# Altium PCB Brake Module R6.PcbDoc (part 1 of 2) (continued)
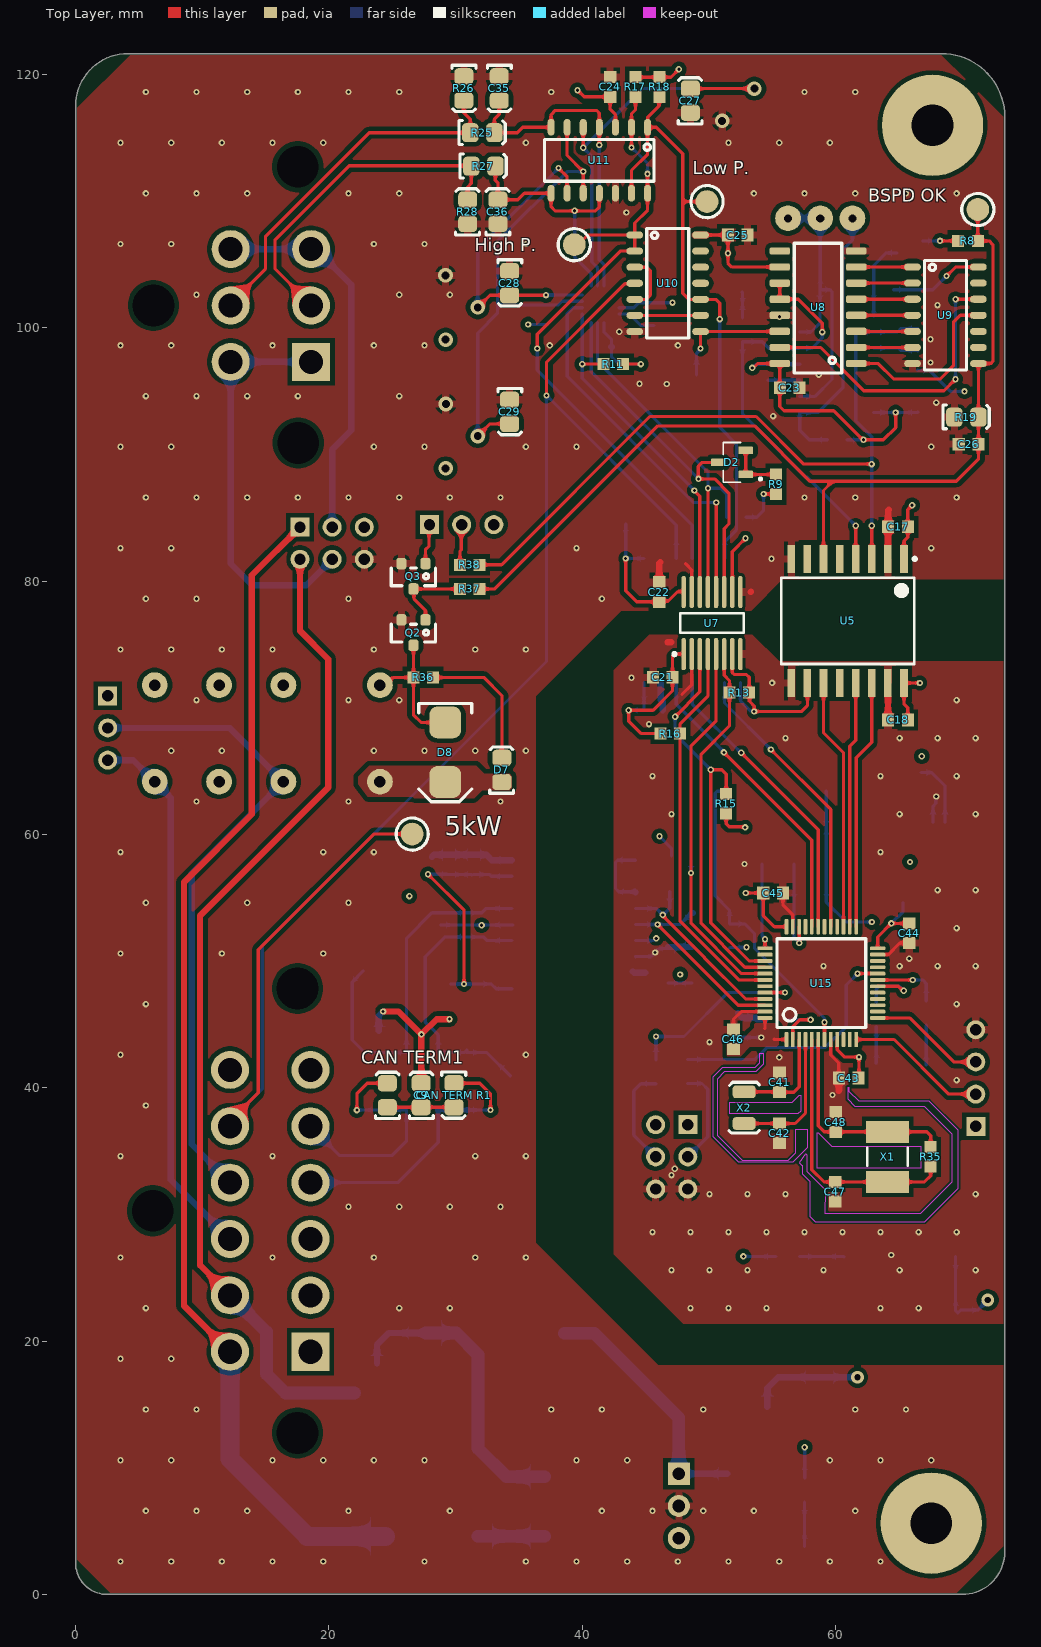
[diagram p0: Top Layer view]
## Footprints (in the part's own frame and the unit in brackets; to place one, negate y for a bottom-side part, rotate by r counter-clockwise, add the part's x,y. Pads: shape width x height; smd on the part's side, far side on the other; paste and mask are expansions set on the pad) (continued)
C0603 [mm] "Chip Capacitor, 2-Leads, Body 1.60x0.81mm, IPC Medium Density"
  rect 0.95x1 smd: 1(-0.775,0) 2(0.775,0)
  body extent -0.86,-0.47 0.86,0.47, height 0.59
DT13-6P [mm]
  round 3 hole 3.3 unplated: 0(-17.805,15.43) 0(-6.95,4) 0(4,15.4)
  rect 3x3 hole 1.9: 1(-11.4,16.45)
  round 3 hole 1.9: 2(-6.95,16.45) 3(-2.5,16.45) 4(-2.5,10.1) 5(-6.95,10.1) 6(-11.4,10.1)
  silkscreen extent -16.9,-0.1 2.7,6.1, body extent -29.9,-19.9 12.9,19.6, height 35.63
DT13-12P [mm]
  round 3 hole 3.3 unplated: 0(-6.405,5.33) 0(11.135,-6.1) 0(28.675,5.33)
  rect 3x3 hole 1.9: 1(0,6.35)
  round 3 hole 1.9: 2(4.45,6.35) 3(8.9,6.35) 4(13.35,6.35) 5(17.8,6.35) 6(22.25,6.35) 7(22.25,0) 8(17.8,0) 9(13.35,0) 10(8.9,0) 11(4.45,0) 12(0,0)
  silkscreen extent -4.45,-12 26.7,-6, body extent -18.6,-34.7 40.6,9.5, height 35.63
ECS-80-18-30-JGN-TR [mm] "Crystal, 8MHz"
  rect 1.75x3.4 smd: 1(-1.975,0) 2(1.975,0)
  silkscreen extent -0.7,-1.6 0.7,1.6, body extent -2.5,-1.7 2.5,1.7, height 1.1
"EPSON 2-SMD" [mm]
  rrect50% 1x1.8 smd: 1(-1.25,0) 2(1.25,0)
  silkscreen extent -2,-1.2 2,1.2, body extent -1.5,-1 1.5,1, height 1
FP-DDC0005A-IPC_B [mm]
  rect 1.554x0.572 smd paste+0 mask+0: 1(-1.1,0.95)
  rrect100% 1.554x0.572 smd paste+0 mask+0: 2(-1.1,0) 3(-1.1,-0.95) 4(1.1,-0.95) 5(1.1,0.95)
  silkscreen extent -2.7,-1.7 1.4,1.7, body extent -1.4,-1.45 1.4,1.45, height 1.1
"IN SOT-23 MOSFET" [mm] "NUP2105L"
  rrect50% 0.8x0.9 smd: D(0,1) G(-0.95,-1) S(0.95,-1)
  silkscreen extent -1.75,-0.65 1.75,0.75, body extent -1.5,-1.28 1.5,1.27, height 1
"ON 16-SOIC" [mm]
  rrect50% 1.6x0.58 smd: 1(-2.89,0) 2(-2.89,-1.27) 3(-2.89,-2.54) 4(-2.89,-3.81) 5(-2.89,-5.08) 6(-2.89,-6.35) 7(-2.89,-7.62) 8(-2.89,-8.89) 9(3.14,-8.89) 10(3.14,-7.62) 11(3.14,-6.35) 12(3.14,-5.08) 13(3.14,-3.81) 14(3.14,-2.54) 15(3.14,-1.27) 16(3.14,0)
  silkscreen extent -1.75,-9.5 2,0.75, body extent -3.09,-9.4 3.14,0.6, height 1.75
"ON SOT-23" [mm] "NUP2105L"
  rrect50% 0.8x0.9 smd: 1(-0.95,1) 2(0.95,1) 3(0,-1)
  silkscreen extent -1.75,-0.75 1.75,0.65, body extent -1.5,0.08 1.5,2.63, height 1
"ON SOT-23 MOSFET" [mm] "NUP2105L"
  rrect50% 0.8x0.9 smd: D(0,1) G(-0.95,-1) S(0.95,-1)
  silkscreen extent -1.75,-0.66 1.75,0.75, body extent -1.5,-1.27 1.5,1.28, height 1
R0603 [mm] "0603 Chip Resistor"
  rect 0.95x0.95 smd: 1(-0.775,0) 2(0.775,0)
  body extent -0.86,-0.47 0.86,0.47, height 0.59
"RECOM 3-SIP" [mm] "12 to 42 Vdc In, 9 Vdc Out"
  rect 1.75x1.75 hole 1: 1(0,0)
  round 1.75 hole 1: 2(2.54,0) 3(5.08,0)
  silkscreen extent -3.5,-2 8.5,6.5, body extent -3.26,-2.02 8.34,6.48, height 11.41
"RECOM 8-SMD (5 Pin)" [mm]
  rrect50% 1.2x2.4 smd: 1(-3.81,-5.4) 2(-1.27,-5.4) 4(3.81,-5.4) 5(3.81,5.5) 8(-3.81,5.5)
  silkscreen extent -6.5,-4 6.5,4, body extent -6.38,-5.55 6.38,5.55, height 9.2
"SMB Diode" [mm]
  rrect50% 2.5x2.5 smd: A(-0.25,0) K(4.45,0)
  silkscreen extent -1.75,-2.1 6,2.1, body extent -0.69,-1.97 4.9,1.97, height 2.5
"SMD Test Point" [mm]
  round 1.8 smd: 1(0,0)
  silkscreen extent -1.27,-1.27 1.27,1.27
SOIC16-W [mm]
  rect 2.2x0.6 smd: 1(-4.9,4.445) 2(-4.9,3.175) 3(-4.9,1.905) 4(-4.9,0.635) 5(-4.9,-0.635) 6(-4.9,-1.905) 7(-4.9,-3.175) 8(-4.9,-4.445) 9(4.9,-4.445) 10(4.9,-3.175) 11(4.9,-1.905) 12(4.9,-0.635) 13(4.9,0.635) 14(4.9,1.905) 15(4.9,3.175) 16(4.9,4.445)
  silkscreen extent -5.02,-5.25 3.4,5.42, body extent -5.16,-5.25 5.16,5.25, height 2.65
"STM 48-LQFP" [mm]
  rrect50% 0.3x1.2 smd mask+0.05: 1(-2.75,-4.45) 2(-2.25,-4.45) 3(-1.75,-4.45) 4(-1.25,-4.45) 5(-0.75,-4.45) 6(-0.25,-4.45) 7(0.25,-4.45) 8(0.75,-4.45) 9(1.25,-4.45) 10(1.75,-4.45) 11(2.25,-4.45) 12(2.75,-4.45) 25(2.75,4.45) 26(2.25,4.45) 27(1.75,4.45) 28(1.25,4.45) 29(0.75,4.45) 30(0.25,4.45) 31(-0.25,4.45) 32(-0.75,4.45) 33(-1.25,4.45) 34(-1.75,4.45) 35(-2.25,4.45) 36(-2.75,4.45)
  rrect50% 1.2x0.3 smd mask+0.05: 13(4.45,-2.75) 14(4.45,-2.25) 15(4.45,-1.75) 16(4.45,-1.25) 17(4.45,-0.75) 18(4.45,-0.25) 19(4.45,0.25) 20(4.45,0.75) 21(4.45,1.25) 22(4.45,1.75) 23(4.45,2.25) 24(4.45,2.75) 37(-4.45,2.75) 38(-4.45,2.25) 39(-4.45,1.75) 40(-4.45,1.25) 41(-4.45,0.75) 42(-4.45,0.25) 43(-4.45,-0.25) 44(-4.45,-0.75) 45(-4.45,-1.25) 46(-4.45,-1.75) 47(-4.45,-2.25) 48(-4.45,-2.75)
  silkscreen extent -3.5,-3.5 3.5,3.5, body extent -4.6,-4.6 4.6,4.6, height 1.6
"TDK 4-PC Pad" [mm]
  rrect50% 1.35x0.9 smd: 1(0,0) 2(0,-2.5) 3(4.55,-2.5) 4(4.55,0)
  silkscreen extent -1,-3.2 5.5,0.7, body extent -0.02,-2.82 4.48,0.38, height 2.8
"TH 2.54mm Header 1x3" [mm]
  rect 1.5x1.5 hole 0.9: 1(0,0)
  round 1.5 hole 0.9: 2(2.54,0) 3(5.08,0)
  silkscreen extent -1.27,-1.27 6.35,1.27, body extent -1.27,-1.27 6.35,1.27, height 9.5
"TH 2.54mm Header 1x4" [mm]
  rect 1.5x1.5 hole 0.9: 1(0,0)
  round 1.5 hole 0.9: 2(2.54,0) 3(5.08,0) 4(7.62,0)
  silkscreen extent -1.27,-1.27 8.89,1.27, body extent -1.27,-1.27 8.89,1.27, height 9.5
"TH 2.54mm Header 2x3" [mm]
  rect 1.5x1.5 hole 0.9: 1(0,0)
  round 1.5 hole 0.9: 2(0,2.54) 3(2.54,0) 4(2.54,2.54) 5(5.08,0) 6(5.08,2.54)
  silkscreen extent -1.27,-1.27 6.35,3.81, body extent -1.27,-1.27 6.35,3.81, height 9.5
"TI 2-DIL" [mil]
  round 80 hole 35.43: 1(-350,-150) 4(-50,-150) 6(150,-150) 8(350,-150) 9(350,150) 11(150,150) 13(-50,150) 16(-350,150)
  silkscreen extent -400,-200 400,200, body extent -398,-197 398,197, height 450
"TI 14-SOIC" [mil]
  oval 22x52 smd: 1(-750,102.36) 2(-700,102.36) 3(-650,102.36) 4(-600,102.36) 5(-550,102.36) 6(-500,102.36) 7(-450,102.36) 8(-450,307.09) 9(-500,307.09) 10(-550,307.09) 11(-600,307.09) 12(-650,307.09) 13(-700,307.09) 14(-750,307.09)
  silkscreen extent -770,140 -430,270, body extent -770,86 -430,323, height 69
WFQN-16 [mm]
  rect 0.8x0.25 smd: 1(-1.45,0.75) 2(-1.45,0.25) 3(-1.45,-0.25) 4(-1.45,-0.75) 9(1.45,-0.75) 10(1.45,-0.25) 11(1.45,0.25) 12(1.45,0.75)
  rect 0.25x0.8 smd: 5(-0.75,-1.45) 6(-0.25,-1.45) 7(0.25,-1.45) 8(0.75,-1.45) 13(0.75,1.45) 14(0.25,1.45) 15(-0.25,1.45) 16(-0.75,1.45)
  rect 1.68x1.68 smd: 17(0,0)
  silkscreen extent -2.47,-1.7 1.7,1.7, body extent -1.6,-1.6 1.6,1.6, height 0.8
"Wurth 4-PC Pad" [mm]
  rrect50% 2.7x2.7 smd: 1(7.62,6.22) 2(0,6.22) 3(0,0) 4(7.62,0)
  silkscreen extent -1.7,-1.8 9.4,8, body extent -1.19,-1.24 8.81,7.46, height 6.2

## Part data
5kW "BSPD OK" CANH1 CANL1 "High P." "Low P." SR_IN: library part "SMD Test Point", Angle=0, Contact=NA, Flange=No, Part Number="SMD Test Point", Pitch=0mm, Positions=1, Row Spacing=0
ADC1: "IC ADC 12BIT SAR 16WQFN", Manufacturer="Texas Instruments", Digikey Link=https://www.digikey.com.au/en/products/detail/texas-instruments/ADS7028IRTER/12696020?s=N4IgTCBcDaIIIBEDKB2ADGAHASQEoBUBRXEAXQF8g, Digikey Part Number=ADS7028IRTER, Part Number=ADS7028IRTER
BOOT1 "PWR Sel": library part "TH 2.54mm Header 2x3", Angle=0, Contact=NA, Flange=No, Part Number="TH 2.54mm Header 2x3", Pitch=2.54mm, Positions=6, Row Spacing=2.54mm
"BSPD Bypass" "BSPD Swap": library part "TH 2.54mm Header 1x3", Angle=0, Contact=NA, Flange=No, Part Number="TH 2.54mm Header 1x3", Pitch=2.54mm, Positions=3, Row Spacing=2.54mm
C1 C4 C7: library part CC0603JPX7R9BB103, Rated Voltage=50V, Tolerance=5%, Digikey Link=#https://www.digikey.com.au/en/products/detail/yageo/CC0603JPX7R9BB103/11490710#, Material=C0G, Part Number=CC0603JPX7R9BB103
C2 C3 C6 C8 C14 C17 C18 C19 C20 C21 C22 C23 C24 C25 C26 C37 C38 C43 C44 C45 C46 C69 C90: library part CC0603ZPY5V9BB104, Rated Voltage=50V, Tolerance=5%, Digikey Link=#https://www.digikey.com.au/en/products/detail/yageo/CC0603ZPY5V9BB104/11490657#, Material=C0G, Part Number=CC0603ZPY5V9BB104
C5 C15: library part GRM188R6YA106MA73D, Rated Voltage=35V, Tolerance=20%, Digikey Link=#https://www.digikey.com.au/en/products/detail/murata-electronics/GRM188R6YA106MA73D/5877411#, Material=X5R, Part Number=GRM188R6YA106MA73D
C9: library part GRM21A5C2E220JW01D, Digikey Part Number=490-5534-1-ND, Manufacturer=muRata, Rated Voltage=250V, Tolerance=±5%, Material="C0G, NP0", Part Number=GRM21A5C2E220JW01D
C10 C11 C12 C13: library part CC0603JPNPO9BN101, Rated Voltage=50V, Tolerance=5%, Digikey Link=#https://www.digikey.com.au/en/products/detail/yageo/CC0603JPNPO9BN101/11490847#, Material=C0G, Part Number=CC0603JPNPO9BN101
C16: library part CC0603JPNPO9BN100, Rated Voltage=50V, Tolerance=5%, Digikey Link=#https://www.digikey.com.au/en/products/detail/yageo/CC0603JPNPO9BN100/11491009#, Material=C0G, Part Number=CC0603JPNPO9BN100
C27 C28 C29 C35 C36: library part GCM21BR71H104KA37L, Digikey Part Number=490-6064-1-ND, Manufacturer=muRata, Rated Voltage=50V, Tolerance=±10%, Material=X7R, Part Number=GCM21BR71H104KA37L
C30 C31 C32: library part GRM21BR6YA106KE43L, Digikey Part Number=490-10514-6-ND, Manufacturer=muRata, Rated Voltage=50V, Tolerance=10%, Material=X5R, Part Number=GRM21BR6YA106KE43L
C33 C34: library part CC1206MKX5R7BB226, Digikey Part Number=311-1997-2-ND, Manufacturer=YAGEO, Rated Voltage=16V, Tolerance=20%, Material=Ceramic, Part Number=CC1206MKX5R7BB226
C39 C40 C91: library part GRT188R61H105ME13D, Manufacturer=muRata, Rated Voltage=50V, Tolerance=20%, Digikey Part Number=GRT188R61H105ME13D, Material=X5R, Part Number=GRT188R61H105ME13D
C41 C42 C47 C48: library part CC0603JPNPO9BN220, Rated Voltage=50V, Tolerance=5%, Digikey Link=#https://www.digikey.com.au/en/products/detail/yageo/CC0603JPNPO9BN220/11490454#, Material=C0G, Part Number=CC0603JPNPO9BN220
"CAN RX1" "CAN TX1": library part SML-MN2BCTT86C, "LED BLUE CLEAR 2012 SMD", Digikey Part Number=846-1207-1-ND, Manufacturer="ROHM Semiconductor", Colour=Blue, Digikey Link=https://www.digikey.com/product-detail/en/rohm-semiconductor/SMLMN2BCTT86C/846-1207-1-ND/6057239, Part Number=SML-MN2BCTT86C
"CAN TERM1" "CAN TERM R1": library part RC0805FR0756RL, Digikey Part Number=311-56.0CRCT-ND, Manufacturer=YAGEO, Rated Voltage=0.125W, Tolerance=0.01, Material=FR-07, Part Number=RC0805FR0756RL
D1: library part SML-211YTT86, "Yellow LED Indication - Discrete 1.75V 0805 (2012 Metric)", Digikey Part Number=511-1293-1-ND, Manufacturer="ROHM Semiconductor", Colour=Yellow, Digikey Link=https://www.digikey.com/product-detail/en/rohm-semiconductor/SML-211YTT86/511-1293-1-ND/637106, Part Number=SML-211YTT86
D2: library part CMP-004-00001-1, "DIODE ARRAY GP 70V 200mA SOT23-3", RoHS Compliant=No
D3 D8: "1.2V_F 600V 5A SMB", Digikey Part Number=1655-1530-2-ND, Manufacturer="SMC Diode Solutions", Digikey Link=https://www.digikey.com/product-detail/en/smc-diode-solutions/SD560BTR/1655-1530-2-ND/6022620, Part Number=SD560BTR
D4 D5 D6: library part SML-210LTT86, "Red LED Indication - Discrete 1.75V 0805 (2012 Metric)", Digikey Part Number=511-1286-1-ND, Manufacturer="ROHM Semiconductor", Colour=Red, Digikey Link=https://www.digikey.com/product-detail/en/rohm-semiconductor/SML-210LTT86/511-1286-1-ND/637099, Part Number=SML-210LTT86
D7: library part SML-210FTT86, "Green LED Indication - Discrete 1.75V 0805 (2012 Metric)", Digikey Part Number=511-1285-1-ND, Manufacturer="ROHM Semiconductor", Colour=Green, Digikey Link=https://www.digikey.com/product-detail/en/rohm-semiconductor/SML-210FTT86/511-1285-1-ND/637098, Part Number=SML-210FTT86
F1: "PTC RESET FUSE 60V 1A 292", Digikey Part Number=507-2070-1-ND, Manufacturer="Littelfuse Inc.", Digikey Link=https://www.digikey.com/product-detail/en/bel-fuse-inc/0ZCF0100AF2A/507-2070-1-ND/6210547, Part Number=0ZCF0100AF2A
K1: "5V DPDT Relay 3A 220VDC", Digikey Part Number=PB383-ND, Manufacturer=Axicom, Digikey Link=https://www.digikey.com/products/en?mpart=V23105A5001A201&v=41, Part Number=V23105A5475A201
Q1: "P-Channel 30V 2A (Ta) 500mW (Ta) Surface Mount SOT-23-3", Digikey Part Number=BSS308PEH6327XTSA1CT-ND, Manufacturer="Infineon Technologies", Digikey Link=https://www.digikey.com/product-detail/en/infineon-technologies/BSS308PEH6327XTSA1/BSS308PEH6327XTSA1CT-ND/3196649, LatestRevisionDate=29-May-2009, LatestRevisionNote="IPC-7351 Footprint Added.", PackageDescription="4-Pin SOT-343 Package 1.3 mm Pitch, 2.1 mm Lead Span", PackageReference=SOT-343, PackageVersion=Sep-2000, Part Number=BSS308PEH6327XTSA1, Published=24-Mar-1999, Publisher="Altium Limited"
Q2 Q3: "60V 380mA, NFET MOSTFET (Small Signal)", Digikey Part Number=2N7002KCT-ND, Manufacturer="ON Semiconductor", Digikey Link=https://www.digikey.com/product-detail/en/on-semiconductor/2N7002K/2N7002KCT-ND/2060375, LatestRevisionDate=29-May-2009, LatestRevisionNote="IPC-7351 Footprint Added.", PackageDescription="4-Pin SOT-343 Package 1.3 mm Pitch, 2.1 mm Lead Span", PackageReference=SOT-343, PackageVersion=Sep-2000, Part Number=2N7002K, Published=24-Mar-1999, Publisher="Altium Limited", Qty=30
R2 R6 R35: library part RA73F1J10KBTD, Tolerance=0.1%, Digikey Link=#https://www.digikey.com.au/en/products/detail/te-connectivity-passive-product/RA73F1J10KBTD/16031729#, Material="Thin Film", Part Number=RA73F1J10KBTD
R3: library part 3296W-1-103LF, Digikey Part Number=3296W-103LF-ND, Manufacturer="Bournes Inc", Rated Voltage=0.5W, Tolerance=0.1, Part Number=3296W-1-103LF
R4 R5 R7 R9 R10 R11 R12 R13 R14 R15 R16 R17 R18: library part ERJ-PA3J122V, Tolerance=1%, Digikey Link=#https://www.digikey.com.au/en/products/detail/panasonic-electronic-components/ERJ-PA3J122V/5035981#, Material="Thick Film", Part Number=ERJ-PA3J122V
R8 R29 R30 R31 R36 R37 R38: library part RCP0603B680RGEA, Tolerance=2%, Digikey Link=#https://www.digikey.com.au/en/products/detail/vishay-dale/RCP0603B680RGEA/5791729#, Material="Thick Film", Part Number=RCP0603B680RGEA
R19 R32 R33 R34: library part RC0805FR0710KL, Digikey Part Number=311-10.0KCRCT-ND, Manufacturer=YAGEO, Rated Voltage=0.125W, Tolerance=0.01, Material=FR-07, Part Number=RC0805FR0710KL
R23 R24: library part RC0805FR07680RL, Digikey Part Number=311-680CRCT-ND, Manufacturer=YAGEO, Rated Voltage=0.125W, Tolerance=0.01, Material=FR-07, Part Number=RC0805FR07680RL
R25 R27: library part RC0805FR071KL, Digikey Part Number=311-1.00KCRCT-ND, Manufacturer=YAGEO, Rated Voltage=0.125W, Tolerance=0.01, Material=FR-07, Part Number=RC0805FR071KL
R26 R28: library part RC0805FR07200RL, Digikey Part Number=311-200CRCT-ND, Manufacturer=YAGEO, Rated Voltage=0.125W, Tolerance=0.01, Material=FR-07, Part Number=RC0805FR07200RL
"Sensors Plug1": library part DT13-6P[[/\]]DT13-6P, Digikey Part Number=1734-1025-ND, Angle=90, Contact="Copper Alloy", Digikey Link=https://www.digikey.com/product-detail/en/te-connectivity-deutsch-connectors/DT13-6P/1734-1025-ND/6566589, Flange=Yes, Part Number=DT13-6P, Pitch=4.44mm, Positions=6, Row Spacing=6.35mm
SERIAL1: library part "TH 2.54mm Header 1x4", Angle=0, Contact=NA, Flange=No, Part Number="TH 2.54mm Header 1x4", Pitch=2.54mm, Positions=4, Row Spacing=2.54mm
STLINK1: "Header SMD 2.54mm 2x05", Digikey Link=#https://www.digikey.com.au/en/products/detail/cnc-tech/3020-10-0300-00/3441727#, Part Number=3020-10-0300-00
U1: "Isolated CAN Transceiver", Digikey Part Number=ADM3053BRWZ-ND, Manufacturer="Analogue Devices", Digikey Link=https://www.digikey.com/product-detail/en/analog-devices-inc/ADM3053BRWZ/ADM3053BRWZ-ND/2709332, Part Number=ADM3053
U2: "100µH @ 100kHz 2 Line Common Mode Choke Surface Mount 5.8 kOhms @ 10MHz 150mA DCR 2Ohm", Digikey Part Number=495-4598-1-ND, Manufacturer="EPCOS (TDK)", Rated Current=150mA, Digikey Link=https://www.digikey.com/product-detail/en/epcos-tdk/B82787C0104H002/495-4598-2-ND/3680998, Impedence="5.8 kOhms @ 10MHz", Material=Wirewound, Part Number=B82787C0104H002
U3: "Dual Line CAN Bus Protector", Digikey Part Number=NUP2105LT1GOSCT-ND, Manufacturer="ON Semiconductor", Digikey Link=https://www.digikey.com/product-detail/en/on-semiconductor/NUP2105LT1G/NUP2105LT1GOSCT-ND/1485001, Part Number=NUP2105L
U4: "IC OSC TIMER DUAL 100KHZ 14SOIC", Digikey Part Number=296-26240-1-ND, Manufacturer="Texas Instruments", Digikey Link=https://www.digikey.com/product-detail/en/texas-instruments/NE556DR/296-26240-1-ND/2254905, Part Number=NE556DR
U5 U6: "DIGITAL ISOLATOR, QUAD CHANNEL", Digikey Link=#https://www.analog.com/media/en/technical-documentation/data-sheets/ADuM1400_1401_1402.pdf#, Part Number=ADuM1400
U7: library part CMP-001-0005-5, "Digital Isolator CMOS 4-CH 1Mbps 16-Pin QSOP T/R", Case/Package=QSOP, Isolated Power=No, Max Operating Temperature=105°C, Max Supply Voltage=5.5V, Min Operating Temperature=-40°C, Min Supply Voltage=3V, Nominal Supply Current=4.1mA, Package Quantity=1000, Channel Type=Unidirectional, Contact Plating=Tin,Matte, Data Rate=25Mbps, Lead Free="Contains Lead", Number of Channels=4, Number of Pins=16, Packaging="Tape and Reel", Propagation Delay=75ns, Pulse Width Distortion (PWD)=25ns, RoHS Compliant=Yes, Series=iCoupler®, Supply Current=4.1mA, Turn-On Delay Time=56ns, Type="General Purpose"
U8: "IC SHIFT REGISTR 8BIT 3ST 16SOIC", Digikey Part Number=MC74HC595ADR2GOSCT-ND, Manufacturer="ON Semiconductor", Digikey Link=https://www.digikey.com/product-detail/en/on-semiconductor/MC74HC595ADR2G/MC74HC595ADR2GOSCT-ND/1139727, Part Number=MC74HC595ADR2G
U9: "IC GATE NAND 1CH 8-INP 14SOIC", Digikey Part Number=296-14521-1-ND, Manufacturer="Texas Instruments", Digikey Link=https://www.digikey.com/product-detail/en/texas-instruments/CD74HC30M96/296-14521-1-ND/555580, Part Number=CD74HC30M96
U10: "NAND Gate IC 4 Channel 14-SOIC", Digikey Part Number=296-1187-2-ND, Manufacturer="Texas Instruments", Digikey Link=https://www.digikey.com.au/product-detail/en/texas-instruments/SN74HC00DR/296-1187-2-ND/276830, Part Number=SN74HC00DR
U11: "Comparator General Purpose Open Collector 14-SOIC", Digikey Part Number=296-6611-2-ND, Manufacturer="Texas Instruments", Digikey Link=https://www.digikey.com/product-detail/en/texas-instruments/LMV339MTX-NOPB/296-35446-1-ND/3739150, Part Number=LMV339IDR
U12: "CONV DC/DC 1A 5V OUT SIP VERT", Digikey Part Number=945-1395-5-ND, Manufacturer=Recom, Output Power=5W, Output Voltage=5V, Digikey Link=https://www.digikey.com.au/product-detail/en/recom-power/R-78C5.0-1.0/945-1395-5-ND/2652148, Isolation=Non-Isolated, Part Number=R-78C5.0-1.0
U13: "Isolated Module DC DC Converter 1 Output 3.3V 606mA 4.5V - 5.5V Input", Digikey Part Number=945-1764-5-ND, Input Voltage=4.5V-5.5V, Manufacturer=Recom, Output Power=2W, Output Voltage=5V, Digikey Link=https://www.digikey.com/product-detail/en/recom-power/R2S-0505-HP/945-1764-5-ND/2302761, Efficiency=0.85, Isolation=Isolated, Part Number=R2S-0505/HP
U14: "120µH @ 100kHz 2 Line Common Mode Choke Surface Mount 460 Ohms @ 30MHz 2.5A DCR 25mOhm", Digikey Part Number=732-1489-1-ND, Manufacturer="Wurth Electronics Inc", Rated Current=2.5A, Digikey Link=https://www.digikey.com/product-detail/en/w-rth-elektronik/744272121/732-1489-1-ND/1639501, Impedence="460 Ohms @ 30MHz", Material=Wirewound, Part Number=744272121
U15: "ARM® Cortex®-M3 STM32F1 Microcontroller IC 32-Bit 72MHz 64KB (64K x 8) FLASH", Digikey Part Number=497-6063-ND, Manufacturer=STMicroelectronics, Digikey Link=https://www.digikey.com/product-detail/en/stmicroelectronics/STM32F103C8T6/497-6063-ND/1646338, Part Number=STM32F103C8T6
U16: library part CMP-001-0011-2, "Fixed Positive LDO Regulator, 3.3V, 0.25V Dropout, PMOS, PDSO5", Case/Package=TSSOP, Dropout Voltage1-Max=250mV, Dropout Voltage1-Nom=175mV, Input Voltage Absolute-Max=6V, Max Supply Voltage=5.5V, Min Input Voltage=2V, Operating Temperature, TJ-Max=125°C, Operating Temperature, TJ-Min=-40°C, Output Current1-Max=200mA, Output Voltage1-Max=3.366V, Output Voltage1-Min=3.234V, Output Voltage1-Nom=3.3V, Package Body Material=Plastic, Package Equivalence Code=TSOP5/6,.11,37, Package Shape=Rectangular, Package Style="SMALL OUTLINE, THIN PROFILE, SHRINK PITCHMeter", Peak Reflow Temperature (Cel)=260°C, Voltage Tolerance-Max=2%, Adjustability=FIXED, Channels=1, Height - Seated (Max)=1.1mm, JESD-30 Code=R-PDSO-G5, JESD-609 Code=e4, Length=2.9mm, Line Regulation-Max=0.005%, Load Regulation-Max=0.015%, Moisture Sensitivity Level=2, Number of Outputs=1, Packaging="Tape and Reel", Pins=5, Qualification Status="Not Qualified", Reach SVHC Compliant=Yes, Regulator Type="FIXED POSITIVE SINGLE OUTPUT LDO REGULATOR", RoHS Compliant=Yes, Surface Mount=Yes, Technology=PMOS, Terminal Finish=Nickel, Terminal Form="Gull Wing", Terminal Pitch=0.95mm, Terminal Position=DUAL, Width=1.6mm
"Universal Plug1": library part DT13-12P[[/\]]DT13-12P, Digikey Part Number=1734-1451-ND, Angle=90, Contact=Nickel, Digikey Link=https://www.digikey.com.au/product-detail/en/te-connectivity-deutsch-connectors/DT13-12PA/1734-1451-ND/7220123, Flange=Yes, Part Number=DT13-12P, Pitch=4.44mm, Positions=12, Row Spacing=6.35mm
X1: library part ECS-80-18-30-JGN-TR, "Crystal 8MHz", Digikey Link=#https://www.digikey.com.au/en/products/detail/ecs-inc/ECS-80-18-30-JGN-TR/5875530?s=N4IgTCBcDaIKIGEDKBaAHABhQRjSgzFgFIDiAcigCoBKIAugL5A#, Part Number=ECS-80-18-30-JGN-TR
X2: library part "FC-135 32.7680KA-A5", Digikey Part Number=SER4103TR-ND, Load Capacitance=12.5pF, Manufacturer=EPSON, Digikey Link=https://www.digikey.com/product-detail/en/epson/FC-135-32.7680KA-A5/SER4103TR-ND/5259895, ESR=70k, Part Number="FC-135 32.7680KA-A5"

## Free pads (board coordinates)
  round 1.25 smd far side: 2(46.914,55.474) 2(48.743,53.797)
  round 8 hole 3.3 unplated: 3(67.55,5.625) 4(67.65,115.975)

## Via types
v1: diameter 0.5, hole 0.25, Top Layer to Bottom Layer, 318 vias
v2: diameter 1.155, hole 0.63, Top Layer to Bottom Layer, 8 vias
v3: diameter 1, hole 0.5, Top Layer to Bottom Layer, 2 vias

## Nets (pads, with @x,y where several pads share a name; then routed paths per layer and width w, separated by ;. In a path a pad name is that pad's centre, name@x,y a point inside that pad or via, vN(x,y) a via of type N, cw(c..) or ccw(c..) an arc to the next point about the centre after c; other vN are vias at no path point)
0V: "PWR Sel.6" ADC1.9 C14.1 C15.1 C16.1 C17.1 C19.1 C22.1 C23.1 C24.1 C25.1 C26.1 C27.1 C28.1 C29.1 C31.1 C32.1 C33.1 C35.1 C36.1 C69.1 C90.1 C91.1 Q1.S Q2.S Q3.S R6.1 R7.1 R19.1 R23.1 R26.1 R28.1 U4.7 U4.12 U5.2 U5.8 U6.2 U6.8 U7.9 U7.15 U8.8 U8.13 U9.7 U10.7 U11.12 U12.2 U13.1 U14.3 | length 7.9
  Top Layer w0.254: 48.158,81.356 48.641,80.873 U7.15@48.641,79.133
  Top Layer w0.5: C22.1@46.075,79.908 46.075,81.406 46.152,81.483 ; 53.301,79.133 53.315,79.146 ; U5.2@64.125,81.75 64.137,81.763 64.137,84.262 C17.1@64.15,84.275 64.15,85.588 64.186,85.623
  other v1: 3.55,2.6 7.55,2.6 11.55,2.6 15.55,2.6 19.55,2.6 27.55,2.6 35.55,2.6 39.55,2.6 43.55,2.6 47.55,2.6 51.55,2.6 55.55,2.6 59.55,2.6 63.55,2.6 5.55,6.6 9.55,6.6 13.55,6.6 21.55,6.6 29.55,6.6 41.55,6.6 45.55,6.6 49.55,6.6 53.55,6.6 61.55,6.6 3.55,10.6 7.55,10.6 15.55,10.6 19.55,10.6 23.55,10.6 27.55,10.6 39.55,10.6 43.55,10.6 59.55,10.6 63.55,10.6 67.55,10.6 5.55,14.6 9.55,14.6 37.55,14.6 41.55,14.6 49.55,14.6 61.55,14.6 65.55,14.6 3.55,18.6 7.55,18.6 5.55,22.6 25.55,22.6 29.55,22.6 3.55,26.6 15.55,26.6 23.55,26.6 31.55,26.6 35.55,26.6 21.55,30.6 25.55,30.6 29.55,30.6 33.55,30.6 3.55,34.6 15.55,34.6 31.55,34.6 35.55,34.6 5.55,38.6 3.55,42.6 35.55,42.6 5.55,46.6 3.55,50.6 11.55,50.6 19.55,50.6 5.55,54.6 13.55,54.6 21.55,54.6 3.55,58.6 19.55,58.6 23.55,58.6 9.55,62.6 21.55,62.6 33.55,62.6 7.55,66.6 11.55,66.6 23.55,66.6 27.55,66.6 31.55,66.6 35.55,66.6 9.55,70.6 21.55,70.6 25.55,70.6 3.55,74.6 7.55,74.6 11.55,74.6 15.55,74.6 23.55,74.6 31.55,74.6 35.55,74.6 5.55,78.6 9.55,78.6 21.55,78.6 41.55,78.6 54.94,81.763 3.55,82.6 7.55,82.6 39.55,82.6 67.55,82.6 5.55,86.6 9.55,86.6 13.55,86.6 17.55,86.6 21.55,86.6 25.55,86.6 29.55,86.6 33.55,86.6 57.55,86.6 61.55,86.6 69.55,86.6 3.55,90.6 7.55,90.6 23.55,90.6 27.55,90.6 35.55,90.6 39.55,90.6 67.55,90.6 55.067,93.015 67.945,94.082 5.55,94.6 9.55,94.6 13.55,94.6 17.55,94.6 25.55,94.6 46.675,95.55 44.525,95.575 58.674,96.291 67.488,97.257 3.55,98.6 7.55,98.6 15.55,98.6 23.55,98.6 27.55,98.6 37.44,98.6 47.55,98.6 67.488,99.085 42.925,99.675 55.575,100.863 68.047,101.778 9.55,102.6 25.55,102.6 29.55,102.6 3.55,106.6 7.55,106.6 23.55,106.6 27.55,106.6 35.55,106.6 43.485,109.093 5.55,110.6 9.55,110.6 13.55,110.6 21.55,110.6 25.55,110.6 53.55,110.6 57.55,110.6 61.55,110.6 65.55,110.6 69.55,110.6 3.55,114.6 7.55,114.6 11.55,114.6 15.55,114.6 19.55,114.6 35.55,114.6 51.55,114.6 55.55,114.6 59.55,114.6 5.55,118.6 9.55,118.6 13.55,118.6 17.55,118.6 21.55,118.6 25.55,118.6 37.55,118.6 57.55,118.6 61.55,118.6
  other v2: 29.225,93.975 29.2,104.125 51.05,116.325
"0V (ISO)": BOOT1.5 BOOT1.6 C1.1 C2.1 C7.1 C8.1 C18.1 C20.1 C21.1 C34.1 C37.1 C38.1 C39.1 C40.1 C41.1 C42.1 C43.1 C44.1 C45.1 C46.1 C47.1 C48.1 R24.1 R30.2 R31.2 SERIAL1.4 STLINK1.6 U1.1 U1.3 U1.7 U1.9 U1.10 U5.9 U5.15 U6.9 U6.15 U7.0V U7.8 U13.4 U15.8 U15.23 U15.35 U15.47 U16.2 | length 35
  Top Layer w0.254: 47.875,71.05 48.641,71.816 U7.0V@48.641,74.233 ; C46.1@51.935,44.59 51.935,45.385 52.56,46.01 U15.47@54.422,46.01 ; C45.1@55.837,55.372 55.837,54.438 56.622,53.653 U15.35@56.622,52.71 ; U15.8@59.622,43.81 59.622,42.588 60.256,41.954 C43.1@60.256,40.767 ; U15.23@63.322,50.51 64.16,50.51 65.077,51.427 65.804,51.427 C44.1@65.809,51.422
  Top Layer w0.5: 46.725,75.175 47.027,75.175 ; 60.256,39.744 C43.1@60.256,40.767 ; U5.15@64.125,71.95 64.137,71.938 64.137,69.048 C18.1@64.15,69.035
  Bottom Layer w0.254: U1.3@44.156,55.463 42.886,55.463 42.621,55.728 42.621,57.785 42.799,57.963 U1.1@44.196,57.963 ; U1.7@44.196,50.343 44.216,50.362 45.435,50.362 v1(45.75,50.677) 46.065,50.993 46.684,50.993 C1.1@46.797,51.105 ; U16.2@67.691,60.96 67.691,62.234 67.898,62.441 67.898,62.945 v1(67.945,62.992)
  Bottom Layer w0.5: U1.3@44.156,55.463 U1.3@44.196,55.423 ; U6.15@46.15,71.975 46.2,71.925 46.2,70.615 46.355,70.46 46.355,69.805 C20.1@46.35,69.8 ; C1.1@46.797,51.105 C2.1@48.666,51.105
  other v1: 48.55,22.6 51.55,22.6 54.55,22.6 63.55,22.6 66.55,22.6 47.05,25.6 50.05,25.6 53.05,25.6 59.05,25.6 65.05,25.6 71.05,25.6 64.389,26.797 45.55,28.6 48.55,28.6 51.55,28.6 54.55,28.6 57.55,28.6 60.55,28.6 63.55,28.6 66.55,28.6 69.55,28.6 50.05,31.6 53.05,31.6 56.05,31.6 71.05,31.6 47.05,33.1 47.3,33.6 59.75,39.425 69.55,40.6 55.55,42.4 50.05,43.6 69.55,46.6 59.05,49.6 65.05,49.6 68.05,49.6 71.05,49.6 65.811,50.19 69.55,52.6 68.05,55.6 71.05,55.6 52.807,57.658 63.55,58.6 47.05,61.6 65.05,61.6 71.05,61.6 45.55,64.6 63.55,64.6 69.55,64.6 56.05,67.6 65.05,67.6 68.05,67.6 71.05,67.6 45.263,68.707 69.55,70.6 54.991,71.958 43.891,72.365
"3.3V (ISO)": BOOT1.1 BOOT1.2 C37.2 C39.2 C43.2 C44.2 C45.2 C46.2 D6.A R34.2 SERIAL1.1 STLINK1.4 STLINK1.9 U15.1 U15.9 U15.24 U15.36 U15.48 U16.5 | length 33.7
  Top Layer w0.254: v1(52.9,55.375) 54.284,55.375 C45.2@54.287,55.372 54.287,53.588 55.165,52.71 U15.36@56.122,52.71 ; 54.4,44.675 54.422,44.697 U15.48@54.422,45.51 ; 55.15,43.825 55.165,43.81 U15.1@56.122,43.81 ; U15.9@60.122,43.81 60.122,43.002 60.706,42.418 v1(61.849,42.418) 61.849,40.81 C43.2@61.806,40.767 ; U15.24@63.322,51.01 63.322,51.897 v1(64.4,52.975) 65.806,52.975 C44.2@65.809,52.972
  Bottom Layer w0.254: R34.2@51.626,51.037 51.655,51.066 52.94,51.066 v1(52.969,51.094) ; D6.A@52.301,43.967 v1(54.127,43.967) ; STLINK1.4@59.265,63.4 STLINK1.9@59.265,57.65 59.265,54.654 60.833,53.086 v1(62.865,53.086) ; v1(64.4,52.975) 65.33,53.905 C39.2@65.33,54.624
  Bottom Layer w0.5: D6.A@52.298,43.971 D6.A@52.301,43.967
  other v1: 65.875,57.825
5kW: 5kW.1 "Universal Plug1.8" U6.3 U10.4 | length 128.1
  Top Layer w0.254: 12.196,36.959 12.196,37.371 14.425,39.6 14.425,50.9 23.55,60.025 5kW.1@26.575,60.025 ; v1(37.175,94.65) 37.175,97.275 43.369,103.469 44.104,103.469 U10.4@44.14,103.505
  Bottom Layer w0.254: 12.196,36.959 12.196,37.371 14.732,39.907 14.732,51.207 37.175,73.65 v1(37.175,94.65) 47.42,84.405 U6.3@47.42,81.775